# Altium PCB MotionBoard.PcbDoc (part 2 of 3) (continued)
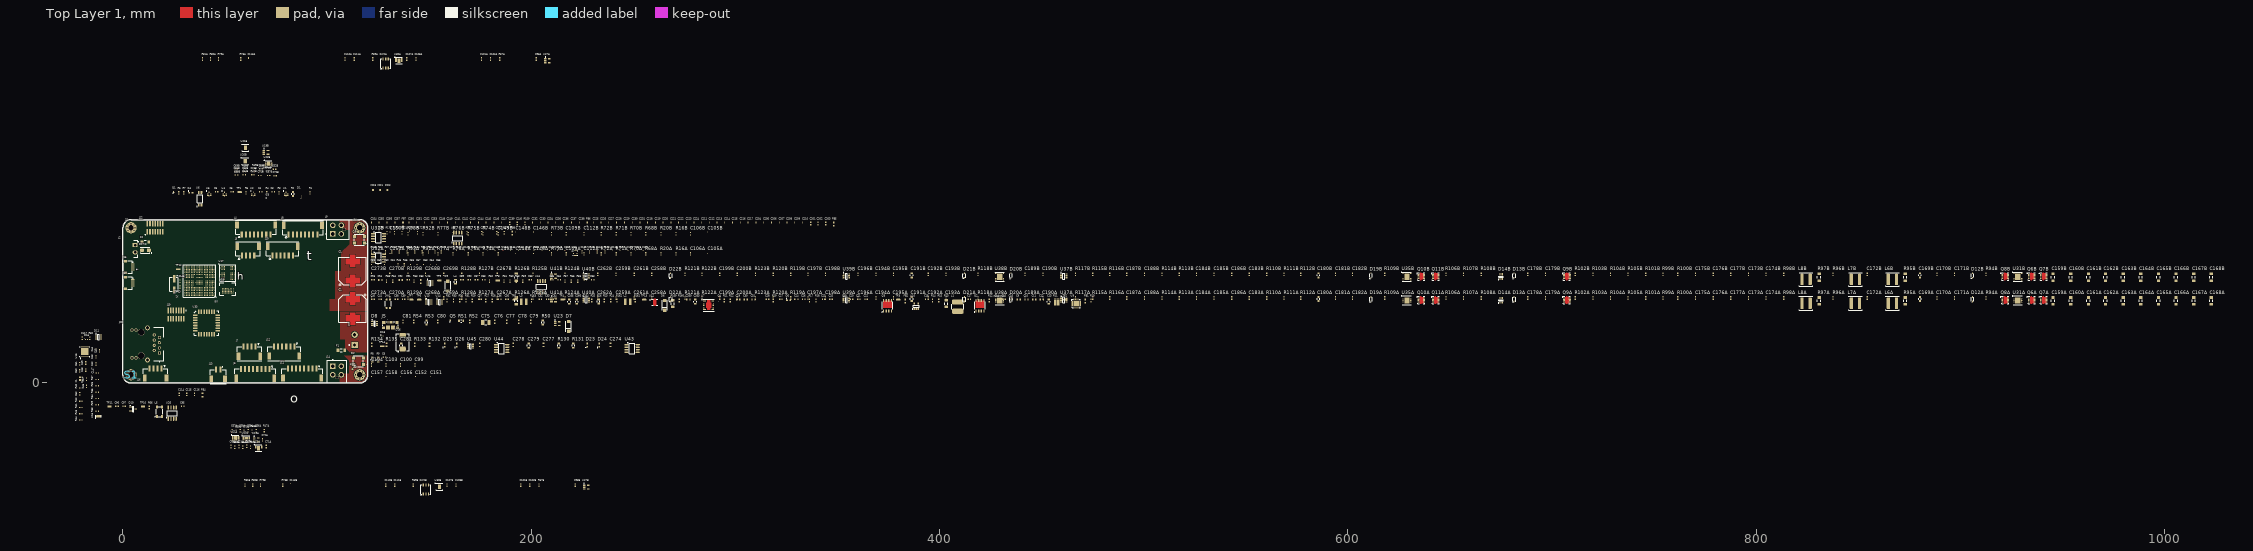
[diagram p0: Top Layer 1 view]
## Footprints (in the part's own frame and the unit in brackets; to place one, negate y for a bottom-side part, rotate by r counter-clockwise, add the part's x,y. Pads: shape width x height; smd on the part's side, far side on the other; paste and mask are expansions set on the pad) (continued)
  Top Layer 1 keep-out region: -2.67,-6.93 -3.223,-6.93 -3.223,-6.375 -2.67,-6.375
  Top Layer 1 keep-out region: 6.83,-3.8 6,-3.8 6,-6.4 -0.6,-6.4 -0.6,-7.305 -1.73,-7.305 -1.73,-5.125 0.57,-5.125 0.57,-3.875 -3.82,-3.875 -3.82,-1.275 -3.17,-1.275 -3.17,3.6 6.83,3.6
  silkscreen extent -6.55,-7.03 6.55,7.02, body extent -6.55,-7.1 6.55,8.81, height 1.45
MTI-1_PLCC_28P [mm] "MTi-1-series PLCC board"
  rect 0.76x2.2 smd: 1(0,5.5)
  rrect50% 0.76x2.2 smd: 2(-1.27,5.5) 3(-2.54,5.5) 4(-3.81,5.5) 12(-3.81,-5.5) 13(-2.54,-5.5) 14(-1.27,-5.5) 15(0,-5.5) 16(1.27,-5.5) 17(2.54,-5.5) 18(3.81,-5.5) 26(3.81,5.5) 27(2.54,5.5) 28(1.27,5.5)
  rrect50% 2.2x0.76 smd: 5(-5.5,3.81) 6(-5.5,2.54) 7(-5.5,1.27) 8(-5.5,0) 9(-5.5,-1.27) 10(-5.5,-2.54) 11(-5.5,-3.81) 19(5.5,-3.81) 20(5.5,-2.54) 21(5.5,-1.27) 22(5.5,0) 23(5.5,1.27) 24(5.5,2.54) 25(5.5,3.81)
  silkscreen extent -6,-6 6,6, body extent -6.05,-6.05 6.05,6.05, height 2.6
PA5005.102NLT [mm] "PA5005 series Molded Inductor, 2-Leads, Body 6.40x6.60mm, Manufacturer Guidelines"
  rrect40% 1.65x5.6 smd: 1(-1.975,0) 2(1.975,0)
  silkscreen extent -3.3,-3.4 3.3,3.4, body extent -3.3,-3.4 3.3,3.4, height 5
"PB TL6330" [mm]
  rrect50% 0.9x1 smd: 1(-2.05,0.8) 1(2.05,0.8) 2(-2.05,-0.8) 2(2.05,-0.8)
  silkscreen extent -1.2,-1.4 1.2,1.4, body extent -2.3,-1.4 2.3,1.4, height 1.89
PSON80P400X80_HS-11N [mm] "PSON, 10-Leads, Body 4.00x4.00mm, Pitch 0.80mm, Thermal Pad 3.00x2.60mm, IPC Medium Density"
  rrect50% 0.6x0.3 smd: 1(-1.9,1.6) 2(-1.9,0.8) 3(-1.9,0) 4(-1.9,-0.8) 5(-1.9,-1.6) 6(1.9,-1.6) 7(1.9,-0.8) 8(1.9,0) 9(1.9,0.8) 10(1.9,1.6)
  rect 2.6x3 smd paste-1.3: 11(0,0)
  silkscreen extent -2.65,-2.2 2.2,2.25, body extent -2.05,-2.05 2.05,2.05, height 0.8
QFN40P170X200X55-12N [mm]
  rect 0.762x0.22 smd: 1(-0.72,0.8) 2(-0.72,0.4) 3(-0.72,0) 4(-0.72,-0.4) 5(-0.72,-0.8) 7(0.72,-0.8) 8(0.72,-0.4) 9(0.72,0) 10(0.72,0.4) 11(0.72,0.8)
  rect 0.22x0.762 smd: 6(0,-0.845) 12(0,0.845)
  silkscreen extent -1.3,1.3 -1.1,1.5, body extent -0.85,-1 0.85,1, height 0.55
QFN40P180X260X60-16N [mm] "QFN, 16-Leads, Body 1.80x2.60mm, Pitch 0.40mm, IPC Medium Density"
  oval 0.5x0.2 smd: 1(-0.8,0.6) 2(-0.8,0.2) 3(-0.8,-0.2) 4(-0.8,-0.6) 9(0.8,-0.6) 10(0.8,-0.2) 11(0.8,0.2) 12(0.8,0.6)
  oval 0.2x0.5 smd: 5(-0.6,-1.2) 6(-0.2,-1.2) 7(0.2,-1.2) 8(0.6,-1.2) 13(0.6,1.2) 14(0.2,1.2) 15(-0.2,1.2) 16(-0.6,1.2)
  silkscreen extent -1.55,-1.35 1.1,1.35, body extent -0.96,-1.36 0.96,1.36, height 0.6
QFN50P400X400X90-21N [mm]
  rect 0.84x0.26 smd: 1(-1.935,1)
  rrect25% 0.84x0.26 smd: 2(-1.935,0.5) 3(-1.935,0) 4(-1.935,-0.5) 5(-1.935,-1) 11(1.935,-1) 12(1.935,-0.5) 13(1.935,0) 14(1.935,0.5) 15(1.935,1)
  rrect25% 0.26x0.84 smd: 6(-1,-1.935) 7(-0.5,-1.935) 8(0,-1.935) 9(0.5,-1.935) 10(1,-1.935) 16(1,1.935) 17(0.5,1.935) 18(0,1.935) 19(-0.5,1.935) 20(-1,1.935)
  rect 2.54x2.54 smd paste-0.467: 21(0,0)
  silkscreen extent -2.45,-2 2,2, body extent -2,-2 2,2, height 0.9
QWIIC-SM04B-SRSS-TB [mm]
  rect 0.6x1.55 smd: 1(-1.5,0)
  rrect30% 0.6x1.55 smd: 2(-0.5,0) 3(0.5,0) 4(1.5,0)
  rect 1.2x1.8 smd: S1(-2.8,-3.7) S2(2.8,-3.7)
  silkscreen extent -3,-4.57 3,0.2, body extent -3,-4.6 3,0.35, height 2.94
RQ3P300BHTB1 [mm] "8-Leads, Body 3.15x3.05mm, Pitch 0.65mm, Thermal Pad 3.00x2.00mm, Manufacturer Guidelines"
  rrect50% 0.8x0.5 smd: 1(-1.45,0.975) 2(-1.45,0.325) 3(-1.45,-0.325) 4(-1.45,-0.975)
  rrect50% 1x0.5 smd: 5(1.35,-0.975) 6(1.35,-0.325) 7(1.35,0.325) 8(1.35,0.975)
  Top Layer 1 region: -0.78,-1.35 -0.769,-1.407 -0.736,-1.456 -0.687,-1.489 -0.63,-1.5 -0.63,-1.5 -0.46,-1.5 -0.46,-1.775 -0.45,-1.823 -0.423,-1.863 -0.383,-1.89 -0.335,-1.9 -0.335,-1.9 -0.085,-1.9 -0.037,-1.89 0.003,-1.863 0.03,-1.823 0.04,-1.775 0.04,-1.775 0.04,-1.5 1.07,-1.5 1.127,-1.489 1.176,-1.456 1.209,-1.407 1.22,-1.35 1.22,-1.35 1.22,1.35 1.209,1.407 1.176,1.456 1.127,1.489 1.07,1.5 1.07,1.5 0.04,1.5 0.04,1.775 0.023,1.837 -0.023,1.883 -0.085,1.9 -0.085,1.9 -0.335,1.9 -0.383,1.89 -0.423,1.863 -0.45,1.823 -0.46,1.775 -0.46,1.775 -0.46,1.5 -0.63,1.5 -0.687,1.489 -0.736,1.456 -0.769,1.407 -0.78,1.35 -0.78,1.35
  silkscreen extent -2.3,-1.78 1.73,1.78, body extent -1.7,-1.71 1.7,1.71, height 0.95
SAMTEC_SHF-107-01-L-D-SM [mm]
  rect 0.74x2.795 smd: 1(3.81,2.032)
  rrect50% 0.74x2.795 smd: 2(3.81,-2.032) 3(2.54,2.032) 4(2.54,-2.032) 5(1.27,2.032) 6(1.27,-2.032) 7(0,2.032) 8(0,-2.032) 9(-1.27,2.032) 10(-1.27,-2.032) 11(-2.54,2.032) 12(-2.54,-2.032) 13(-3.81,2.032) 14(-3.81,-2.032)
  silkscreen extent 4.7,3.3 4.9,3.5, body extent -7.62,-3.05 7.62,3.05, height 5.33
SC70-6 [mm] "SOT363, 6-Leads, Body 2x1.3mm, Pitch 0.65mm, Lead Span 2.1mm, IPC Low Density"
  rect 1.05x0.45 smd: 1(-1.15,0.65) 2(-1.15,0) 3(-1.15,-0.65) 4(1.15,-0.65) 5(1.15,0) 6(1.15,0.65)
  silkscreen extent -1.5,-1.1 0.2,1.42, body extent -1.15,-1.13 1.1,1.12, height 1.1
SM/C0201 [mm]
  rect 0.3x0.3 smd: 1(-0.3,0) 2(0.3,0)
  body extent -0.31,-0.17 0.32,0.16, height 0.33
SM/C0402 [mm] "Chip Resistor, 2-Leads, Body 1.00x0.50mm, IPC Medium Density"
  rect 0.6x0.6 smd: 1(-0.584,0) 2(0.584,0)
  body extent -0.5,-0.25 0.5,0.25, height 0.5
SM/C0603 [mm] "Chip Capacitor, Body 1.6x0.8mm, IPC Low Density"
  rect 0.6x0.8 smd: 1(-0.787,0) 2(0.737,0)
  body extent -0.8,-0.4 0.8,0.4, height 0.6
SM/C0612 [mm] "Chip Resistor, Body 1.6x3.2mm, IPC Low Density"
  rect 1.15x0.35 smd: 1(-0.775,1.5) 4(0.775,1.5)
  rect 1.15x2.7 smd: 2(-0.775,-0.325) 3(0.775,-0.325)
  body extent -0.8,-1.6 0.8,1.6, height 0.7
SM/C0805 [mm] "Chip Resistor, Body 2.0x1.3mm, IPC Low Density"
  rect 0.9x1.2 smd: 1(-1.016,0) 2(1.016,0)
  silkscreen extent -0.3,-0.7 0.3,0.7, body extent -1,-0.59 1,0.61, height 1.2
SM/C1206 [mm] "Chip Resistor, Body 3.2x1.6mm, IPC Low Density"
  rect 1.3x1.6 smd: 1(-1.651,0) 2(1.651,0)
  silkscreen extent -0.5,-0.8 0.5,0.8, body extent -1.6,-0.81 1.6,0.79, height 1.58
SM/C1210 [mm] "Chip Resistor, Body 3.2x1.6mm, IPC Low Density"
  rect 1.5x2.5 smd: 1(-1.55,0) 2(1.55,0)
  silkscreen extent -0.5,-1.2 0.5,1.2, body extent -1.6,-1.25 1.6,1.25, height 2.5
SM/L0603 [mm] "Chip Capacitor, Body 1.6x0.8mm, IPC Low Density"
  rect 0.8x0.8 smd: 1(-0.8,0) 2(0.8,0)
  body extent -0.8,-0.4 0.8,0.4, height 0.45
SM/L0805 [mm] "Chip Resistor, Body 2.0x1.3mm, IPC Low Density"
  rect 0.7x1.3 smd: 1(-0.95,0) 2(0.95,0)
  silkscreen extent -0.3,-0.7 0.3,0.7, body extent -1.13,-0.71 1.07,0.74, height 0.87
SM/L/SRN3010TA [mm]
  rect 1.2x3.2 smd: 1(-1.2,0) 2(1.2,0)
  body extent -1.48,-1.53 1.48,1.53, height 0.9
SM/LED0603 [mm] "Chip Capacitor, Body 1.6x0.8mm, IPC Low Density"
  rect 0.8x0.8 smd: 1(-0.8,0)
  rrect30% 0.8x0.8 smd: 2(0.8,0)
  silkscreen extent -1.2,0.7 -1,0.9, body extent -0.8,-0.4 0.81,0.4, height 0.73
SM/R0402 [mm] "Chip Resistor, 2-Leads, Body 1.00x0.50mm, IPC Medium Density"
  rect 0.6x0.6 smd: 1(-0.584,0) 2(0.584,0)
  body extent -0.5,-0.25 0.5,0.25, height 0.3
SM/R0603 [mm] "Chip Resistor, Body 1.6x0.8mm, IPC Low Density"
  rect 0.6x0.8 smd: 1(-0.762,0) 2(0.762,0)
  body extent -0.8,-0.4 0.8,0.4, height 0.4
SM/R0805 [mm] "Chip Resistor, Body 2.0x1.3mm, IPC Low Density"
  rect 0.9x1.2 smd: 1(-1.016,0) 2(1.016,0)
  silkscreen extent -0.3,-0.6 0.3,0.6, body extent -1,-0.62 1,0.63, height 0.21
SM/R1206 [mm] "Chip Resistor, Body 3.2x1.6mm, IPC Low Density"
  rect 1.3x1.6 smd: 1(-1.651,0) 2(1.651,0)
  silkscreen extent -0.5,-0.8 0.5,0.8, body extent -1.6,-0.8 1.6,0.8, height 0.55
SODFL100X40-2N [mm] "SODFL, 2-Leads, Body 0.60x1.00mm, IPC Medium Density"
  rrect50% 0.5x0.3 smd: 1(-0.5,0) 2(0.5,0)
  silkscreen extent -0.75,0.45 -0.65,0.55, body extent -0.5,-0.33 0.5,0.33, height 0.4
SODFL250X110-2N [mm] "SODFL, 2-Leads, Body 1.25x2.50mm, IPC Medium Density"
  rect 0.85x0.45 smd: 1(-1.125,0) 2(1.125,0)
  silkscreen extent -1.5,-0.7 0.9,0.7, body extent -1.25,-0.67 1.25,0.67, height 1.1
SOIC8 [mm] "8-Pin Small Outline Integrated Circuit 1.27 mm Pitch, IPC Low Density"
  rect 2x0.7 smd: 1(-2.737,1.905)
  oval 2x0.7 smd: 2(-2.737,0.635) 3(-2.737,-0.635) 4(-2.737,-1.905) 5(2.761,-1.905) 6(2.761,-0.635) 7(2.761,0.635) 8(2.761,1.905)
  silkscreen extent -2.26,-2.5 1.3,2.93, body extent -3.03,-2.5 2.98,2.5, height 1.75
SOIC-4 [mm]
  rect 1.5x0.8 smd: 1(0,0)
  rrect50% 1.5x0.8 smd: 2(0,-1.27) 3(6.25,-1.27) 4(6.25,0)
  silkscreen extent -0.71,-1.93 5.1,1.01, body extent -0.4,-1.93 6.6,0.66, height 2.1
SOT23-3 [mm] "SOT23, 3-Leads, Body 3.0x2.6mm (max), Pitch 0.95mm, IPC Low Density"
  rect 1.4x0.5 smd: 1(-1.3,0.95) 2(-1.3,-0.95) 3(1.2,0)
  silkscreen extent -1.6,-1.3 0.2,1.8, body extent -1.57,-1.5 1.42,1.5, height 1.46
SOT23-5 [mm] "SOT23, 5-Leads, Body 3.0x2.6mm (max), Pitch 0.95mm, IPC Low Density"
  rect 1.3x0.65 smd: 1(-1,0.95)
  rrect50% 1.3x0.65 smd: 2(-1,0) 3(-1,-0.95) 4(1,-0.95) 5(1,0.95)
  silkscreen extent -1.12,1.7 -0.87,1.95, body extent -1.52,-1.5 1.48,1.5, height 1.45
SOT23-6 [mm] "SOT23, 6-Leads, Body 3.1x3.2mm (max), Pitch 0.95mm, IPC Medium Density"
  rect 1.15x0.55 smd: 1(-1.175,0.95)
  rrect50% 1.15x0.55 smd: 2(-1.175,0) 3(-1.175,-0.95) 4(1.175,-0.95) 5(1.175,0) 6(1.175,0.95)
  silkscreen extent -1.3,-1.3 0.3,1.8, body extent -1.5,-1.5 1.5,1.5, height 1.3
SOT65P280X110-8N [mm] "SOT23, 8-Leads, Body 2.90x1.60mm, Pitch 0.65mm, IPC Medium Density"
  oval 1x0.5 smd: 1(-1.35,0.975) 2(-1.35,0.325) 3(-1.35,-0.325) 4(-1.35,-0.975) 5(1.35,-0.975) 6(1.35,-0.325) 7(1.35,0.325) 8(1.35,0.975)
  silkscreen extent -1.47,-1.5 0.45,1.9, body extent -1.4,-1.5 1.4,1.5, height 1.1
SOT95P280X110-5N [mm] "SOT23, 5-Leads, Body 2.90x2.80mm, Pitch 0.95mm, IPC Medium Density"
  rrect50% 1x0.6 smd: 1(-1.375,0.95) 2(-1.375,0) 3(-1.375,-0.95) 4(1.375,-0.95) 5(1.375,0.95)
  silkscreen extent -1.5,-1.55 0.5,1.92, body extent -1.53,-1.53 1.53,1.53, height 1.1
SOT1165-1 [mm]
  rrect50% 0.525x0.25 smd: 1(-0.33,1) 2(-0.33,0.5) 4(-0.33,-0.5) 5(-0.33,-1) 6(0.33,-1) 7(0.33,-0.5) 9(0.33,0.5) 10(0.33,1)
  rrect50% 0.525x0.4 smd: 3(-0.33,0) 8(0.33,0)
  silkscreen extent -0.9,-1.35 0.5,1.6, body extent -0.5,-1.25 0.5,1.25, height 0.45
SOT8001/DFN0606-3 [mm]
  rect 0.2x0.3 smd: 1(-0.175,-0.245) 2(0.175,-0.245)
  rect 0.6x0.35 smd: 3(0,0.21)
  silkscreen extent -0.29,-0.75 -0.22,-0.68, body extent -0.3,-0.31 0.32,0.31, height 0.37
TE/1981568-1/USB [mm]
  rect 0.4x1.35 smd: 1(-1.3,2.675) 2(-0.65,2.675) 3(0,2.675) 4(0.65,2.675) 5(1.3,2.675)
  rect 1.45x1.3 smd: 5(-3.425,0) 5(3.425,0)
  rect 1.6x1.4 smd: 5(-3.2,2.45) 5(3.2,2.45)
  rect 1.9x1.9 smd: 5(-1.2,0) 5(1.2,0)
  silkscreen extent -3.8,1 3.8,3.97, body extent -4,-2.68 4,2.92, height 2.81
TFBGA-54 [mm]
  round 0.4 smd: A1(-3.2,3.2) A2(-2.4,3.2) A3(-1.6,3.2) A7(1.6,3.2) A8(2.4,3.2) A9(3.2,3.2) B1(-3.2,2.4) B2(-2.4,2.4) B3(-1.6,2.4) B7(1.6,2.4) B8(2.4,2.4) B9(3.2,2.4) C1(-3.2,1.6) C2(-2.4,1.6) C3(-1.6,1.6) C7(1.6,1.6) C8(2.4,1.6) C9(3.2,1.6) D1(-3.2,0.8) D2(-2.4,0.8) D3(-1.6,0.8) D7(1.6,0.8) D8(2.4,0.8) D9(3.2,0.8) E1(-3.2,0) E2(-2.4,0) E3(-1.6,0) E7(1.6,0) E8(2.4,0) E9(3.2,0) F1(-3.2,-0.8) F2(-2.4,-0.8) F3(-1.6,-0.8) F7(1.6,-0.8) F8(2.4,-0.8) F9(3.2,-0.8) G1(-3.2,-1.6) G2(-2.4,-1.6) G3(-1.6,-1.6) G7(1.6,-1.6) G8(2.4,-1.6) G9(3.2,-1.6) H1(-3.2,-2.4) H2(-2.4,-2.4) H3(-1.6,-2.4) H7(1.6,-2.4) H8(2.4,-2.4) H9(3.2,-2.4) J1(-3.2,-3.2) J2(-2.4,-3.2) J3(-1.6,-3.2) J7(1.6,-3.2) J8(2.4,-3.2) J9(3.2,-3.2)
  silkscreen extent -4.47,-4 4,4.47, body extent -4,-4 4,4, height 0.65
TP/RCUCT [mm]
  rrect50% 2.1x0.9 smd: 1(0,0)
  body extent -0.8,-0.4 0.8,0.4, height 1.15
TPSM5601R5HX [mm] "TPSM5601R5Hx series QFN, 14-Leads, Body 5.00x5.50mm, Pitch 0.65mm, Thermal Pad 2.50x4.60mm, Manufacturer Guidelines"
  rrect50% 1.4x0.5 smd: 1(-2,2.145) 7(-2,-2.155) 8(2,-2.155) 14(2,2.145)
  rrect50% 0.7x0.35 smd: 2(-2.35,1.17) 3(-2.35,0.52) 4(-2.35,-0.13) 5(-2.35,-0.78) 6(-2.35,-1.43) 9(2.35,-1.43) 10(2.35,-0.78) 11(2.35,-0.13) 12(2.35,0.52) 13(2.35,1.17)
  round 0.025 smd: 15(0,0)
  Top Layer 1 region: -0.75,2.3 0.75,2.3 0.75,1.25 1.25,1.25 1.25,-1.25 0.75,-1.25 0.75,-2.3 -0.75,-2.3 -0.75,-1.25 -1.25,-1.25 -1.25,1.25 -0.75,1.25
  silkscreen extent -3.47,-2.95 2.7,2.95, body extent -2.5,-2.75 2.5,2.75, height 4.1
TRANS_TSM220NB06LCR_RLG [mm]
  rect 1.27x0.6 smd: 1(-2.67,1.905) 2(-2.67,0.635) 3(-2.67,-0.635) 4(-2.67,-1.905)
  rect 1.42x0.6 smd: 5(2.575,-1.96) 6(2.575,-0.635) 7(2.575,0.635) 8(2.575,1.96)
  Top Layer 1 region: -1.215,-2.26 2.595,-2.26 2.595,2.26 -1.215,2.26
  silkscreen extent -3.32,-2.6 2,2.75, body extent -3,-2.45 3,2.45, height 1.1
TSSOP50P310X90-8N [mm] "TSSOP, 8-Leads, Body 2.00x2.30mm, Pitch 0.50mm, IPC Medium Density"
  oval 0.8x0.3 smd: 1(-1.6,0.75) 2(-1.6,0.25) 3(-1.6,-0.25) 4(-1.6,-0.75) 5(1.6,-0.75) 6(1.6,-0.25) 7(1.6,0.25) 8(1.6,0.75)
  silkscreen extent -1.72,-1.05 0.8,1.57, body extent -1.55,-1.05 1.55,1.05, height 0.9
XTAL-ECS-160-20-3X-TR [mm] "CRYSTAL"
  rect 3.5x1.2 smd: 1(-2.75,0) 2(2.75,0)
  silkscreen extent -4.35,-2.05 3.5,2.05, body extent -3.8,-2.05 3.8,2.05, height 2.3
XTAL_ECS-160-9-37-CKM-TR [mm]
  rect 0.85x0.75 smd: 1(-0.675,-0.525) 2(0.675,-0.525) 3(0.675,0.525) 4(-0.675,0.525)
  silkscreen extent -1.8,-0.55 -1.6,-0.35, body extent -1,-0.81 1,0.79, height 0.5

## Part data
C1 C2: library part "CAP ALUM 150UF 20% 80V SMD", "150 µF 80 V Aluminum Electrolytic Capacitors Radial, Can - SMD 320mOhm @ 100kHz 5000 Hrs @ 105°C", Supplier Part Number 1=P124707CT-ND, Voltage=80V, ESR=320m@100kHz, Supplier 1=Digi-Key
C3 C4 C5 C6 C7 C40 C41 C45 C49 C99 C100 C103 C104 C153 C154 C155 C171A C171B C182A C182B C190A C190B C193A C193B C198A C198B C262A C262B: library part "CAP CER 10NF 50V X7R 0402", "10 nF ±10% 50V Ceramic Capacitor X7R 0402 (1005 Metric)", Dielectric=X7R, Supplier Part Number 1=1276-1028-1-ND, Voltage=50V, Supplier 1=Digi-Key
C8 C16 C18 C19 C20 C21 C22 C25 C28 C33 C35 C38 C39 C43 C44 C47 C48 C52 C62A C62B C63A C63B C64A C64B C67A C67B C68A C68B C71A C71B C72A C72B C80 C81 C89 C95 C98A C98B C106A C106B C107A C107B C108A C108B C114 C117 C143 C147 C149A C149B C170A C170B C172A C172B C181A C181B C183A C183B C189A C189B C192A C192B C194A C194B C195A C195B C196A C196B C197A C197B C258A C258B C259A C259B C261A C261B C264 C267A C267B C268A C268B C269A C269B C270A C270B C272 C273A C273B: library part "CAP CER 100NF 25V X5R 0402", "100 nF ±10% 25V Ceramic Capacitor X5R 0402 (1005 Metric)", Dielectric=X5R, Supplier Part Number 1=1276-1043-1-ND, Voltage=25V, Supplier 1=Digi-Key
C9 C10 C11 C12 C24 C29 C30 C31 C76 C77 C78 C79 C92 C94 C260: library part "CAP CER 10UF 25V X5R 0603", "10 µF ±20% 25V Ceramic Capacitor X5R 0603 (1608 Metric)", Dielectric=X7R, Supplier Part Number 1=490-7202-1-ND, Voltage=25V, Supplier 1=Digi-Key
C13 C263: library part "CAP CER 1UF 100V X7S 0805", "1 µF ±10% 100V Ceramic Capacitor X7S 0805 (2012 Metric)", Dielectric=X7S, Supplier Part Number 1=490-10918-1-ND, Voltage=100V, Supplier 1=Digi-Key
C14 C15 C23 C93 C115 C116: library part "CAP CER 2.2UF 16V X5R 0402", "2.2 µF ±10% 16V Ceramic Capacitor X5R 0402 (1005 Metric)", Dielectric=X5R, Supplier Part Number 1=490-10695-1-ND, Voltage=16V, Supplier 1=Digi-Key
C17: library part "CAP CER 470NF 50V X5R 0402", "470 nF ±10% 50V Ceramic Capacitor X5R 0402 (1005 Metric)", Dielectric=X5R, Supplier Part Number 1=490-16354-1-ND, Voltage=50V, Supplier 1=Digi-Key
C26: library part "CAP CER 180PF 50V C0G/NP0 0402", "180 pF ±5% 50V Ceramic Capacitor C0G, NP0 0402 (1005 Metric)", Dielectric=NPO, Supplier Part Number 1=490-GCM1555C1H181JA16DCT-ND, Voltage=50V, Supplier 1=Digi-Key
C27: library part "CAP CER 2.2NF 50V X7R 0402", "2.2 nF ±10% 50V Ceramic Capacitor X7R 0402 (1005 Metric)", Dielectric=X7R, Supplier Part Number 1=311-3072-1-ND, Voltage=50V, Supplier 1=Digi-Key
C32 C34 C36 C123 C124 C125 C126: library part "CAP CER 22UF 6.3V X5R 0402", "22 µF ±20% 6.3V Ceramic Capacitor X5R 0402 (1005 Metric)", Dielectric=X5R, Supplier Part Number 1=478-KGM05CR50J226MHCT-ND, Voltage=6.3V, Supplier 1=Digi-Key
C37 C50 C51 C96 C97 C144 C145 C184A C184B C185A C185B C186A C186B: library part "CAP CER 22PF 50V C0G/NPO 0402", "22 pF ±2% 50V Ceramic Capacitor C0G, NP0 0402 (1005 Metric)", Dielectric=NPO, Supplier Part Number 1=311-1652-1-ND, Voltage=50V, Supplier 1=Digi-Key
C42 C46 C201 C202 C203 C239 C240 C271: library part "CAP CER 10UF 6.3V X5R 0402", "10 µF ±20% 6.3V Ceramic Capacitor X5R 0402 (1005 Metric)", Dielectric=X5R, Supplier Part Number 1=490-GRM155R60J106ME05JCT-ND, Voltage=6.3V, Supplier 1=Digi-Key
C53 C54 C55 C59 C60 C61 C204 C205 C206 C207 C208 C209 C210 C211 C212 C213 C214 C215 C216 C217 C218 C219 C220 C221 C222 C223 C224 C225 C226 C227 C228 C229 C230 C231 C232 C233 C234 C235 C236 C237 C238 C241 C242 C243 C244 C245 C246 C247 C248 C249 C251 C253 C256 C257: library part "CAP CER 100NF 16V X7R 0201", "100 nF ±10% 16V Ceramic Capacitor X7R 0201 (0603 Metric)", Case=0201, Dielectric=X7R, Supplier Part Number 1=490-GRM033Z71C104KE14DCT-ND, Voltage=16V, Supplier 1=Digi-Key
C56 C57 C58 C250 C252 C254 C255: library part "CAP CER 2.2UF 6.3V X5R 0201", "2.2 µF ±20% 6.3V Ceramic Capacitor X5R 0201 (0603 Metric)", Case=0201, Dielectric=X5R, Supplier Part Number 1=478-KGM03CR50J225MHCT-ND, Voltage=16V, Supplier 1=Digi-Key
C65A C65B C66A C66B C69A C69B C70A C70B C73A C73B C74A C74B C101A C101B C102A C102B C109A C109B C110A C110B C111A C111B C112A C112B: library part "CAP CER 330PF 50V C0G/NP0 0402", "330 pF ±5% 50V Ceramic Capacitor C0G, NP0 0402 (1005 Metric)", Dielectric=NPO, Supplier Part Number 1=490-4928-1-ND, Voltage=50V, Supplier 1=Digi-Key
C75: library part "CAP CER 100UF 10V X5R 1210", "100 µF ±20% 10V Ceramic Capacitor X5R 1210 (3225 Metric)", Dielectric=X5R, Supplier Part Number 1=1276-3364-1-ND, Voltage=10V, Supplier 1=Digi-Key
C82 C87 C173A C173B C174A C174B C187A C187B C188A C188B C199A C199B C200A C200B: library part "CAP CER 220PF 50V C0G/NP0 0402", "220 pF ±5% 50V Ceramic Capacitor C0G, NP0 0402 (1005 Metric)", Dielectric=NPO, Supplier Part Number 1=1276-1059-1-ND, Voltage=50V, Supplier 1=Digi-Key
C83: library part "CAP CER 4.7NF 16V X7R 0402", "4.7 nF ±10% 16V Ceramic Capacitor X7R 0402 (1005 Metric)", Dielectric=X7R, Supplier Part Number 1=311-1709-1-ND, Voltage=16V, Supplier 1=Digi-Key
C84 C86 C88: library part "CAP CER 1NF 50V C0G/NP0 0402", "1 nF ±5% 50V Ceramic Capacitor C0G, NP0 0402 (1005 Metric)", Dielectric=NPO, Supplier Part Number 1=490-3244-1-ND, Voltage=50V, Supplier 1=Digi-Key
C85: library part "CAP CER 1UF 25V X5R 0402", "1 µF ±20% 25V Ceramic Capacitor X5R 0402 (1005 Metric)", Dielectric=X5R, Supplier Part Number 1=587-3245-1-ND, Voltage=25V, Supplier 1=Digi-Key
C90: library part "CAP CER 47NF 25V X7R 0402", "47 nF ±10% 25V Ceramic Capacitor X7R 0402 (1005 Metric)", Dielectric=X7R, Supplier Part Number 1=1276-CL05B473KA5VPNCCT-ND, Voltage=25V, Supplier 1=Digi-Key
C91: library part "CAP CER 150PF 50V C0G/NP0 0402", "150 pF ±5% 50V Ceramic Capacitor C0G, NP0 0402 (1005 Metric)", Dielectric=NPO, Supplier Part Number 1=1276-1046-1-ND, Voltage=50V, Supplier 1=Digi-Key
C105A C105B C113A C113B C118 C119 C120 C121 C122 C127 C128 C129 C130 C131 C132 C133 C134 C135 C136 C137 C138 C139 C140 C141 C142 C146A C146B C148A C148B C150A C150B C151 C152 C156 C157 C158 C275 C276: library part "CAP CER 10PF 25V C0G/NP0 0201", "10 pF ±5% 25V Ceramic Capacitor C0G, NP0 0201 (0603 Metric)", Case=0201, Dielectric=X7R, Supplier Part Number 1=490-8607-1-ND, Voltage=25V, Supplier 1=Digi-Key
C159A C159B C160A C160B C161A C161B C162A C162B C163A C163B C164A C164B C165A C165B C166A C166B C167A C167B C168A C168B: library part "CAP CER 100NF 100V C0G 1206", "100 nF ±5% 100V Ceramic Capacitor C0G, NP0 1206 (3216 Metric)", Dielectric=NPO, Supplier Part Number 1=445-172677-1-ND, Voltage=100V, Supplier 1=Digi-Key
C169A C169B C180A C180B C191A C191B C265 C266: library part "CAP CER 22UF 25V X5R 0805", "22 µF ±20% 25V Ceramic Capacitor X5R 0805 (2012 Metric)", Dielectric=X5R, Supplier Part Number 1=490-14661-1-ND, Voltage=25V, Supplier 1=Digi-Key
C175A C175B C176A C176B C177A C177B C178A C178B C179A C179B: library part "CAP CER 3.3NF 100V X8R 0402", "3.3 nF ±10% 100V Ceramic Capacitor X8R 0402 (1005 Metric)", Dielectric=X7R, Supplier Part Number 1=445-15951-1-ND, Voltage=16V, Supplier 1=Digi-Key
C274 C277 C278 C280: library part C, "Chip Capacitor", Dielectric=X7R, Supplier 2 Part Number=1292-1393-1-ND, Voltage=16V, Supplier 2=Digi-Key
C279 C281: library part C, "CAP CER 10UF 10V X5R 0805", Supplier Part Number 1=1276-2402-1-ND, Supplier 1=Digi-Key
D1 D15 D18: library part "TVS DIODE 3.3VWM 10.4VC SOD923", "10.4V Clamp 9.8A (8/20µs) Ipp Tvs Diode Surface Mount SOD-923", Max Clamping Voltage=10.4V, Reverse Standoff Voltage=3.3V, Supplier Part Number 1=ESD9X3.3ST5GOSCT-ND, Mounting=SMD, Supplier 1=Digi-Key, Supplier 2=Mouser, Supplier Part Number 2=863-ESD9X3.3ST5G
D2 D3: "Addressable Lighting series 10 LED Discrete Serial (Shift Register) Red, Green, Blue (RGB) 3.50mm L x 3.50mm W", Supplier Part Number 1=1528-1542-ND, Supplier 1=Digi-Key
D4: library part "LED YELLOW CLEAR 0603 SMD", "Yellow 592nm LED Indication - Discrete 2.1V 0603 (1608 Metric)", Color=Yellow, Supplier Part Number 1=492-1325-1-ND, Supplier 1=Digi-Key
D5: library part "LED RED CLEAR 0603 SMD", "Red 630nm LED Indication - Discrete 1.9V 0603 (1608 Metric)", Color=Red, Supplier Part Number 1=732-4979-1-ND, Supplier 1=Digi-Key
D6 D7 D9: library part "DIODE SCHOTTKY 100V 3A DO214AC", "Diode 100 V 3A Surface Mount DO-214AC (SMA)", Supplier Part Number 1=641-1747-1-ND, Supplier 1=Digi-Key
D8 D11: library part PRTR5V0U4D, "Ultra low capacitance quadruple rail-to-rail ESD protection, surface mount 6-TSOP", Supplier Part Number 1=1727-3890-1-ND, Mounting=SMD, Supplier 1=Digi-Key, Supplier 2=Mouser, Supplier Part Number 2=771-PRTR5V0U4D-T/R
D10: Supplier Part Number 1=NUP2105LT1GOSCT-ND, Supplier 1=Digi-Key
D12A D12B D13A D13B D19A D19B D20A D20B D21A D21B D22A D22B: library part "DIODE ZENER 15V 300MW SOD323", "Zener Diode 15 V 300 mW ±5% Surface Mount SOD-323", Supplier Part Number 1=1727-4986-1-ND, Mounting=SMD, Supplier 1=Digi-Key
D14A D14B: "DIODE ARRAY SCHOTTKY 40V SOT363 / Diode Array 3 Independent Schottky 40 V 175mA Surface Mount 6-TSSOP, SC-88, SOT-363", Supplier Part Number 1=SD103ATW-FDICT-ND, Supplier 1=Digi-Key
D16: library part "TVS DIODE 48VWM 77.4VC DO214AB", "77.4V Clamp 64.6A Ipp Tvs Diode Surface Mount DO-214AB (SMC)", Max Clamping Voltage=77.4V, Reverse Standoff Voltage=48V, Supplier Part Number 1=SMC5K48A-M3/IGICT-ND, Mounting=SMD, Supplier 1=Digi-Key
D17: library part "TVS DIODE 5VWM 9.2VC DO214AC", "9.2V Clamp 43.5A Ipp Tvs Diode Surface Mount DO-214AC (SMA)", Max Clamping Voltage=9.2V, Reverse Standoff Voltage=5V, Supplier Part Number 1=SMAJ5.0A-E3/61GICT-ND, Mounting=SMD, Supplier 1=Digi-Key
D23 D24 D26: library part LED, Supplier Part Number 1=732-4979-1-ND, Supplier 1=Digi-Key
D25: library part LED, Supplier Part Number 1=350-2035-1-ND, Supplier 1=Digi-Key
F1: library part "FUSE BOARD MOUNT 10A 32VAC 63VDC", "10 A 32 V AC 63 V DC Fuse Board Mount (Cartridge Style Excluded) Surface Mount 1206 (3216 Metric)", Supplier Part Number 1=F2941CT-ND, Supplier 1=Digi-Key
F2: library part "FUSE BOARD MOUNT 3A 48VAC 75VDC 1206", "3 A 48 V AC 75 V DC Fuse Board Mount (Cartridge Style Excluded) Surface Mount 1206 (3216 Metric)", Supplier Part Number 1=F2933CT-ND, Supplier 1=Digi-Key
FB1 FB2 FB4 FB5 FB6 FB7 FB8: library part "FERRITE BEAD 330 OHM 0603 1LN", "330 Ohms @ 100 MHz 1 Power Line Ferrite Bead 0603 (1608 Metric) 1.7A 80mOhm", Supplier Part Number 1=490-5256-1-ND, Supplier 1=Digi-Key
FB3: library part "FERRITE BEAD 300 OHM 0603 1LN", "300 Ohms @ 100 MHz 1 Power, Signal Line Ferrite Bead 0603 (1608 Metric) 2A 100mOhm", Supplier Part Number 1=240-2374-1-ND, Supplier 1=Digi-Key
FID1 FID2 FID3 FID4: library part FIDUCIAL
J1: "2 Position Terminal Block Header, Male Pins, Shrouded (4 Side) 0.200\" (5.08mm) 90°, Right Angle Through Hole", Supplier Part Number 1=281-4411-ND, FUNCTION="VIN 10..48V", Supplier 1=Digi-Key
J2: Supplier Part Number 1=277-2416-ND, FUNCTION="VIN 5V", Supplier 1=Digi-Key
J3 J7: library part "MOLEX/CONN 4 Clik-Mate 2mm Vertical", "CLIK-Mate Vertical Receptacle, PCB Receptacle, Surface Mount, 1 Rows, 4 Contacts, 2mm Pitch, Molex", Supplier Part Number 1=30161193, Supplier 1=Distrelec
  J3: FUNCTION="LIMIT SWITCH A"
  J7: FUNCTION="LIMIT SWITCH B"
J4 J6 J8 J11: library part "MOLEX/CONN 8 Clik-Mate Vertical 2mm", "CLIK-Mate Vertical Receptacle, PCB Receptacle, Surface Mount, 1 Rows, 8 Contacts, 2mm Pitch, Molex", Supplier Part Number 1=30161195, Supplier 1=Distrelec
  J4: FUNCTION="Encoder A1"
  J6: FUNCTION="Encoder B1"
  J8: FUNCTION="Encoder A2"
  J11: FUNCTION="Encoder B2"
J5: library part "CONN 5 Socket", "USB - micro B USB 2.0 Receptacle Connector 5 Position Surface Mount, Right Angle", Supplier Part Number 1=A97800CT-ND, FUNCTION=USB, Supplier 1=Digi-Key
J9 J14: library part "CONN 4 Socket", "Connector Header Through Hole 4 position 0.165\" (4.20mm)", Supplier Part Number 1=900-2125201004-ND, Supplier 1=Digi-Key
  J9: FUNCTION="Motor A"
  J14: FUNCTION="Motor B"
J10 J12: library part "MOLEX/CONN 6 Clik-Mate Vertical 2mm", "CLIK-Mate Vertical Receptacle, PCB Receptacle, Surface Mount, 1 Rows, 6 Contacts, 2mm Pitch, Molex", Supplier Part Number 1=30161194, Supplier 1=Distrelec
  J10: FUNCTION="Hall A"
  J12: FUNCTION="Hall B"
J13: library part "CONN 2 Socket", "2 Position Receptacle Connector 0.079\" (2.00mm) Surface Mount Tin", Supplier Part Number 1=WM15808CT-ND, FUNCTION=E-STOP, Supplier 1=Digi-Key
J15 J17: library part "JST/CONN 4 Socket (Qwiic)", "JST Qwiic Connector", Supplier Part Number 1=455-2645-6-ND, FUNCTION="Qwiic I2C", Supplier 1=Digi-Key
J16: library part "MOLEX/CONN 4 Clik-Mate Vertical 2mm", "CLIK-Mate Vertical Receptacle, PCB Receptacle, Surface Mount, 1 Rows, 4 Contacts, 2mm Pitch, Molex", Supplier Part Number 1=30161193, FUNCTION="CAN (CANopen)", Supplier 1=Distrelec
J18: library part "CONN 50 Socket", "50 Position FFC, FPC Connector Contacts, Bottom 0.020\" (0.50mm) Surface Mount, Right Angle", Supplier Part Number 1=732-6015-1-ND, FUNCTION="Ext. Connectors", Supplier 1=Digi-Key
J19: library part "CONN HEADER SMD 14POS 1.27MM", "Connector Header Surface Mount 14 position 0.050\" (1.27mm)", Supplier Part Number 1=S9012E-07-ND, FUNCTION="DAC/SIGMA DELTA", Supplier 1=Digi-Key
J20: library part "CONN JACK 1PORT 100 BASE-T PCB", "1 Port RJ45Through Hole 10/100 Base-T, AutoMDIX", Supplier Part Number 1=535-ARJM11D7-009-AB-EW2-ND, Supplier 1=Digi-Key
J21: library part "CONN SD MOLEX 503398-1892", "9 (8 + 1) Position Card Connector Secure Digital - microSD™ Surface Mount, Right Angle Gold", Supplier Part Number 1=WM11190CT-ND, Supplier 1=Digi-Key
J22: library part "CONN 14POS", "Connector Header Surface Mount 14 position 0.050\" (1.27mm)", Supplier Part Number 1=ESHF-107-01-L-D-SM-ND, FUNCTION="XDS JTAG", Supplier 1=Digi-Key